# Altium PCB iMX6 Rex_V1I1_PCB.PcbDoc (part 4 of 8)
Units mm, origin at the board's own origin, x right, y up, seen from the top; angles counter-clockwise.
Board outline 70 x 40 mm, 12 copper layers (L1, L2, L3, L4, L5 (PWR), L6 (PWR), L7 (PWR), L8 (PWR), L9, L10, L11, L12), stack 1.566 mm thick; 473 components, 409 nets, 2294 pads, 1880 vias.
Unrouted connection lines stored in the file: 7.
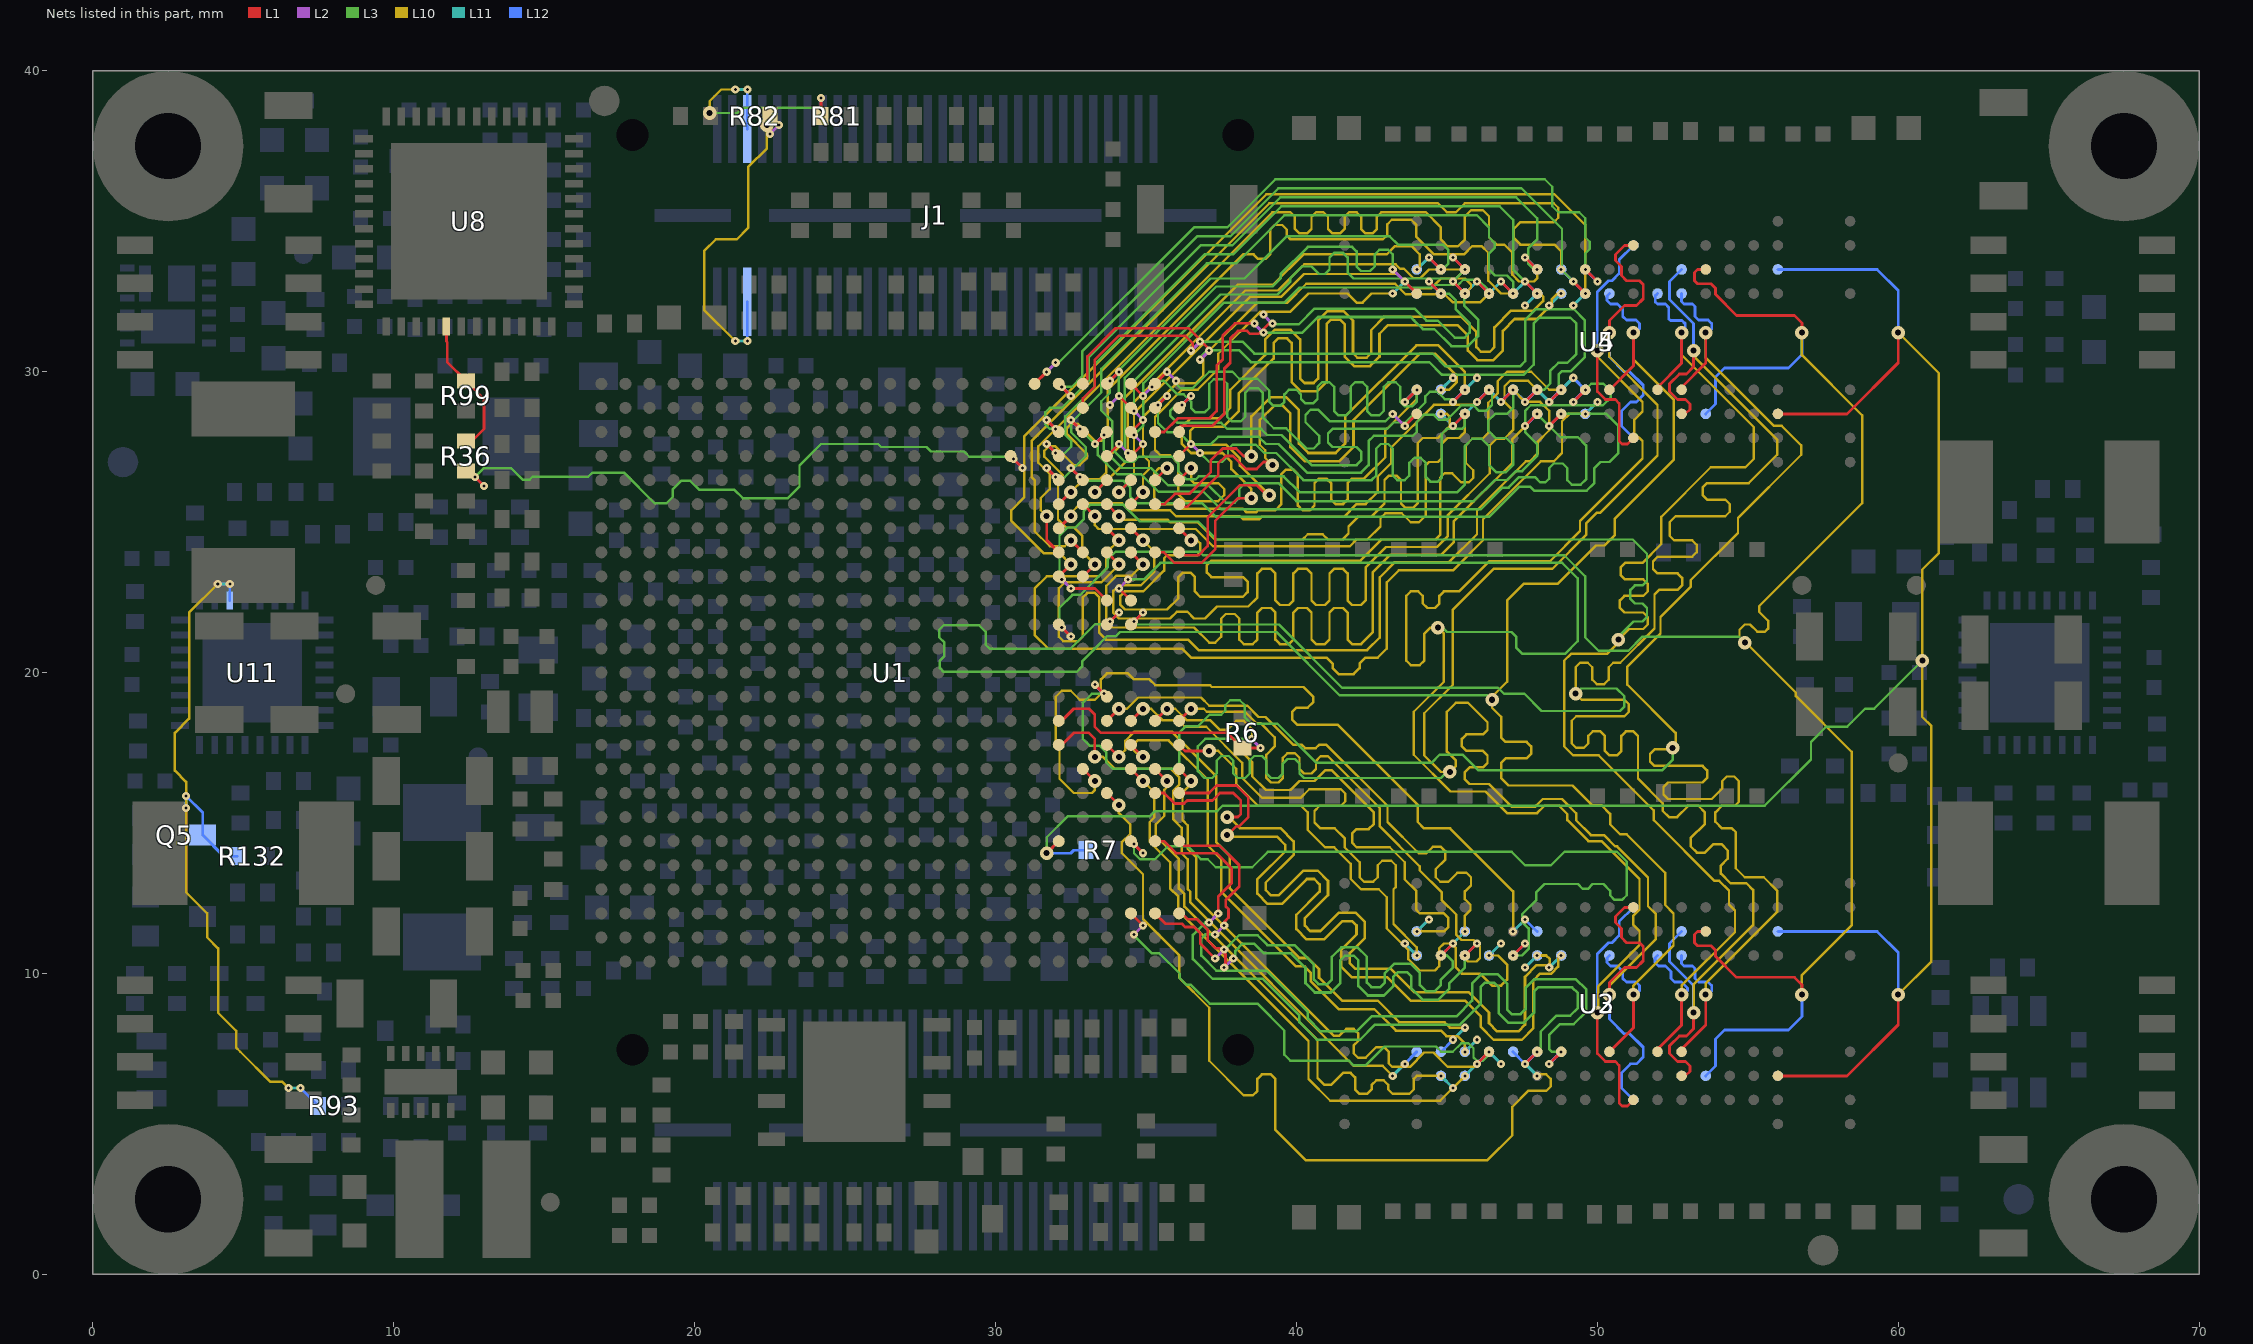
[diagram p14: the nets of this part, all layers, seen from the top]

## Via types
v1: diameter 0.45, hole 0.2, L1 to L12, tented both sides, 761 vias
v2: diameter 0.27, hole 0.1, L1 to L2, 305 vias
v3: diameter 0.27, hole 0.1, L2 to L3, 290 vias
v4: diameter 0.45, hole 0.2, L3 to L10, 196 vias
v5: diameter 0.27, hole 0.1, L11 to L12, 185 vias
v6: diameter 0.27, hole 0.1, L10 to L11, 142 vias
v7: diameter 0.45, hole 0.2, L3 to L10, tented both sides, 1 vias

## Nets (pads, with @x,y where several pads share a name; then routed paths per layer and width w, separated by ;. In a path a pad name is that pad's centre, name@x,y a point inside that pad or via, vN(x,y) a via of type N, cw(c..) or ccw(c..) an arc to the next point about the centre after c; other vN are vias at no path point) (continued)
DRAM_D23: U1.AA9 U3.F2 | length 28.6
  L1 w0.093: U1.AA9@32.9,16.8 v1(33.3,16.4)
  L10 w0.08: v1(33.3,16.4) 33.3,16.1 33.2,16 32.6,16 32.125,16.475 32.125,17.5 32,17.625 32,19.2 32.2,19.4 32.5,19.4 32.8,19.1 33.3,19.1 33.5,19.3 33.5,19.775 33.7,19.975 34.4,19.975 34.6,19.775 35.117,19.775 35.307,19.585 37.123,19.585 37.183,19.525 40.236,19.525 40.553,19.208 40.553,19.013 40.378,18.838 40.005,18.838 39.855,18.688 39.855,18.438 40.03,18.263 41.38,18.263 44.025,15.619 44.025,15.045 44.245,14.825 45.105,14.825 47.2,12.73 v6(47.2,11.4)
  L11 w0.1: v6(47.2,11.4) v5(47.6,11.8)
  L12 w0.093: v5(47.6,11.8) U3.F2@48,11.4
DRAM_D24: U1.AE9 U3.D7 | length 19.8
  L1 w0.093: U1.AE9@36.1,16.8 v1(36.5,16.4)
  L10 w0.08: v1(36.5,16.4) 36.5,16.3 36.213,16.013 36.213,15.1 36.383,14.93 36.383,14.153 36.675,13.86 36.675,12.495 41.232,7.938 41.43,7.938 41.654,8.162 41.904,8.162 42.054,8.012 42.054,7.762 41.9,7.608 ; 41.9,7.6 41.9,7.35 42.05,7.2 42.3,7.2 42.654,7.554 ; 42.662,7.554 42.912,7.554 43.062,7.404 43.062,7.021 43.183,6.9 43.77,6.9 44.245,7.375 44.555,7.375 45.03,6.9 45.9,6.9 v6(46.4,7.4)
  L11 w0.1: v6(46.4,7.4) v5(46.8,7)
  L12 w0.093: v6(46.4,7.4) v5(46.8,7)
DRAM_D25: U1.Y10 U3.A7 | length 19.9
  L1 w0.093: U1.Y10@32.1,17.6 32.2,17.6 32.6,18 33.1,18 33.3,17.8 v1(33.3,17.2)
  L10 w0.08: v1(33.3,17.2) 33.57,17.2 33.97,16.8 35.83,16.8 36.1,16.53 36.1,16.27 35.909,16.078 35.909,15.122 36.183,14.847 36.183,14 36.383,13.8 36.383,12.813 36.475,12.721 36.475,12.362 41.9,6.937 42.863,6.937 v6(43.2,6.6)
  L11 w0.1: v6(43.2,6.6) v5(43.6,7)
  L12 w0.093: v5(43.6,7) U3.A7@44,7.4
DRAM_D26: U1.AE11 U3.C3 | length 19.8
  L1 w0.093: U1.AE11@36.1,18.4 v1(36.5,18.8)
  L10 w0.08: v1(36.5,18.8) 36.917,18.8 37.017,18.7 38.287,18.7 38.662,18.325 38.805,18.325 39.275,17.855 39.275,17.545 39,17.27 39,16.5 39.15,16.35 39.4,16.35 39.55,16.5 39.55,17.17 39.7,17.32 39.95,17.32 40.1,17.17 40.1,16.8 40.25,16.65 40.5,16.65 40.65,16.8 40.65,17.07 40.8,17.22 41.05,17.22 42.775,15.495 42.775,14.888 44.1,13.563 44.1,13.43 44.825,12.705 44.825,12.445 45.315,11.955 45.315,11.282 45.482,11.115 45.885,11.115 46.1,10.9 46.1,10.52 45.98,10.4 45.7,10.4 45.6,10.5 v6(45.6,10.6)
  L11 w0.1: v6(45.6,10.6) v5(46,11)
  L12 w0.093: v6(45.6,10.6) v5(46,11)
DRAM_D27: U1.AB11 U3.C2 | length 19.8
  L1 w0.093: U1.AB11@33.7,18.4 v1(34.1,18.8)
  L10 w0.08: v1(34.1,18.8) 34.37,18.8 34.745,19.175 36.825,19.175 37.1,18.9 38.37,18.9 38.745,18.525 38.975,18.525 39.9,17.6 40.181,17.6 40.291,17.491 40.641,17.491 40.75,17.6 41,17.6 43.025,15.575 43.025,15.041 44.066,14 44.321,14 44.53,14.209 44.8,14.209 44.95,14.059 44.95,13.789 44.63,13.47 44.63,13.2 44.78,13.05 45.05,13.05 45.35,13.35 45.65,13.35 45.8,13.2 45.8,12.93 45.6,12.73 45.6,12.47 45.785,12.285 45.785,12.115 45.6,11.93 v6(45.6,11.4)
  L11 w0.1: v5(45.2,11) v6(45.6,11.4)
  L12 w0.093: v5(45.2,11) v6(45.6,11.4)
DRAM_D28: U1.AC9 U3.C8 | length 19.8
  L1 w0.093: U1.AC9@34.5,16.8 v1(34.9,16.4)
  L10 w0.08: v1(34.9,16.4) 35.275,16.025 35.275,15.188 35.125,15.038 35.125,14.375 35.8,13.7 35.8,12.83 36.075,12.555 36.075,12.079 40.4,7.754 40.4,6.5 41.125,5.775 44.775,5.775 v6(45.6,6.6)
  L11 w0.1: v6(45.6,6.6) v5(46,7)
  L12 w0.093: v6(45.6,6.6) v5(46,7)
DRAM_D29: U1.AD9 U3.B8 | length 19.8
  L1 w0.093: U1.AD9@35.3,16.8 v1(35.7,16.4)
  L10 w0.08: v1(35.7,16.4) 35.7,16.2 35.604,16.104 35.604,15.235 35.325,14.955 35.325,14.575 36.092,13.809 36.092,12.822 36.275,12.638 36.275,12.225 40.7,7.8 40.7,6.53 40.93,6.3 41.15,6.3 41.55,6.7 41.8,6.7 41.95,6.55 41.95,6.15 42.1,6 42.35,6 42.5,6.15 42.5,6.3 42.65,6.45 42.9,6.45 43.05,6.3 43.05,6.15 43.2,6 43.75,6 43.9,6.15 43.9,6.5 44,6.6 v6(44.8,6.6)
  L11 w0.1: v6(44.8,6.6) v5(45.2,6.2)
  L12 w0.093: v6(44.8,6.6) v5(45.2,6.2)
DRAM_D30: U1.AD11 U3.A2 | length 19.8
  L1 w0.093: U1.AD11@35.3,18.4 v1(35.7,18.8)
  L10 w0.08: v1(35.7,18.8) 35.97,18.8 36.345,18.425 37.132,18.425 37.457,18.1 37.7,18.1 38,18.4 38.243,18.4 38.525,18.118 38.525,17.875 38.225,17.575 38.225,17.332 38.525,17.032 38.525,16.558 38.983,16.1 39.8,16.1 40.1,16.4 40.6,16.4 40.95,16.75 41.18,16.75 42.575,15.355 42.575,14.975 42.4,14.8 42,14.8 41.85,14.65 41.85,14.35 42,14.2 43.1,14.2 43.6,13.7 43.6,13.13 43.975,12.755 43.975,12.125 44.1,12 44.9,12 45.05,11.85 45.05,11.55 44.9,11.4 v6(44,11.4)
  L11 w0.1: v6(44,11.4) v5(44.4,11.8)
  L12 w0.093: v6(44,11.4) v5(44.4,11.8)
DRAM_D31: U1.AC11 U3.A3 | length 19.8
  L1 w0.093: U1.AC11@34.5,18.4 v1(34.9,18.8)
  L10 w0.08: v1(34.9,18.8) 35.17,18.8 35.545,18.425 36.062,18.425 36.287,18.2 37,18.2 38.2,17 38.2,16.5 38.863,15.837 40.137,15.837 40.425,16.125 41.475,16.125 41.625,15.975 41.625,15.725 41.475,15.575 40.775,15.575 40.6,15.4 40.6,15.02 40.795,14.825 41.275,14.825 41.6,14.5 41.6,14.2 42.1,13.7 42.1,13.2 42.25,13.05 42.55,13.05 42.7,13.2 42.7,13.6 42.85,13.75 43.15,13.75 43.3,13.6 43.3,12.875 43.225,12.8 43.225,11.645 44,10.87 v6(44,10.6)
  L11 w0.1: v5(43.6,11) v6(44,10.6)
  L12 w0.093: v5(43.6,11) v6(44,10.6)
DRAM_D32: U1.AA17 U5.E3 | length 31.9
  L1 w0.093: U1.AA17@32.9,23.2 v1(33.3,23.6)
  L10 w0.08: v1(33.3,23.6) 32.875,24.025 32.875,24.555 32.605,24.825 32.345,24.825 32.075,25.095 32.075,26.205 32.235,26.365 32.235,26.565 31.622,27.177 31.622,27.377 31.773,27.527 31.972,27.527 32.6,26.9 32.8,26.9 33.025,27.125 33.025,27.275 32.373,27.928 32.373,28.127 32.523,28.277 32.722,28.277 33.3,27.7 33.5,27.7 33.725,27.925 33.725,29.397 38.228,33.9 38.578,33.9 38.728,33.75 38.978,33.75 39.128,33.9 39.128,34.728 39.278,34.878 39.528,34.878 39.678,34.728 39.678,34.522 39.8,34.4 42.87,34.4 43.02,34.55 43.02,34.9 43.17,35.05 43.815,35.05 43.975,34.89 43.975,34.495 44.57,33.9 45.57,33.9 45.845,34.175 46.155,34.175 46.375,33.955 46.375,33.028 46.803,32.6 v6(47.2,32.6)
  L11 w0.1: v6(47.2,32.6) v5(47.6,33)
  L12 w0.093: v6(47.2,32.6) v5(47.6,33)
DRAM_D33: U1.AA18 U5.G2 | length 31.9
  L1 w0.093: v1(32.5,24.4) U1.AA18@32.9,24
  L10 w0.08: v1(32.5,24.4) 32.3,24.2 31.8,24.2 31.3,24.7 31.3,26.4 31.2,26.5 31.2,27.7 39.1,35.6 44.7,35.6 45,35.3 45.3,35.3 45.6,35.6 48.55,35.6 48.7,35.45 48.7,35.12 48.555,34.975 47.445,34.975 47.225,34.755 47.225,34.445 47.445,34.225 48.575,34.225 48.8,34 v6(48.8,33.4)
  L11 w0.1: v6(48.8,33.4) v5(49.2,33)
  L12 w0.093: v6(48.8,33.4) v5(49.2,33)
DRAM_D34: U1.AC18 U5.F8 | length 31.9
  L1 w0.093: U1.AC18@34.5,24 v1(34.9,23.6)
  L10 w0.08: v1(34.9,23.6) 34.525,23.225 34.021,23.225 33.683,22.887 33.683,21.702 33.885,21.5 36.6,21.5 37.1,21 37.3,21 37.5,21.2 37.5,21.8 37.65,21.95 37.95,21.95 38.1,21.8 38.1,21.1 38.25,20.95 38.55,20.95 38.7,21.1 38.7,22 38.85,22.15 39.15,22.15 39.3,22 39.3,21.1 39.45,20.95 39.75,20.95 39.9,21.1 39.9,22 40.05,22.15 40.35,22.15 40.5,22 40.5,21.1 40.65,20.95 40.95,20.95 41.1,21.1 41.1,22 41.25,22.15 41.55,22.15 41.7,22 41.7,21.1 41.85,20.95 42.15,20.95 42.533,21.333 42.533,23.333 43.125,23.925 44.825,23.925 45.225,24.325 45.225,25.025 47.175,26.975 47.175,27.762 48,28.587 v6(48,28.6)
  L11 w0.1: v5(47.6,28.2) v6(48,28.6)
  L12 w0.093: v5(47.6,28.2) v6(48,28.6)
DRAM_D35: U1.AE19 U5.H7 | length 31.9
  L1 w0.093: U1.AE19@36.1,24.8 v1(36.5,24.4)
  L10 w0.08: v1(36.5,24.4) 36.7,24.4 36.8,24.3 36.8,24 36.7,23.9 35.7,23.9 35.6,23.8 35.6,23.392 34.908,22.7 34.3,22.7 34.15,22.55 34.15,22.25 34.3,22.1 35.7,22.1 36.075,22.475 36.075,23.175 36.225,23.325 36.475,23.325 36.625,23.175 36.625,22.7 36.8,22.525 38.225,22.525 38.375,22.675 38.375,23.025 38.225,23.175 37.175,23.175 37.025,23.325 37.025,23.575 37.175,23.725 42.125,23.725 42.825,24.425 44.625,24.425 44.775,24.575 44.775,26.475 44.925,26.625 45.175,26.625 45.475,26.325 45.725,26.325 45.875,26.475 45.875,26.725 45.625,26.975 45.625,27.555 45.845,27.775 46.18,27.775 46.375,27.97 46.375,28.972 46.685,29.282 46.685,29.685 47,30 47.803,30 48.403,29.4 v6(48.8,29.4)
  L11 w0.1: v6(48.8,29.4) v5(49.2,29.8)
  L12 w0.093: v5(49.2,29.8) U5.H7@49.6,29.4
DRAM_D36: U1.Y17 U5.H3 | length 31.9
  L1 w0.093: U1.Y17@32.1,23.2 v1(32.5,23.6)
  L10 w0.08: v1(32.5,23.6) 32.125,23.975 31.595,23.975 30.525,25.045 30.525,25.4 30.95,25.825 30.95,27.85 39,35.9 48.575,35.9 49.6,34.875 v6(49.6,32.6)
  L11 w0.1: v5(49.2,32.2) v6(49.6,32.6)
  L12 w0.093: v5(49.2,32.2) v6(49.6,32.6)
DRAM_D37: U1.Y18 U5.F2 | length 31.9
  L1 w0.093: v1(31.7,25.2) 31.7,24.4 U1.Y18@32.1,24
  L10 w0.08: v1(31.7,25.2) 31.5,25.4 31.5,25.8 31.8,26.1 31.8,26.6 31.423,26.978 31.423,27.522 39.2,35.3 39.8,35.3 39.95,35.15 39.95,34.75 40.1,34.6 40.35,34.6 40.5,34.75 40.5,35.15 40.65,35.3 40.9,35.3 41.05,35.15 41.05,34.75 41.2,34.6 41.45,34.6 41.6,34.75 41.6,35.15 41.75,35.3 42,35.3 42.15,35.15 42.15,34.75 42.3,34.6 42.525,34.6 42.675,34.75 42.675,35.15 42.825,35.3 44.3,35.3 44.8,34.8 44.8,34.4 45.03,34.17 45.37,34.17 45.6,34.4 45.6,35.17 45.8,35.37 46.2,35.37 46.4,35.17 46.4,34.47 46.645,34.225 46.905,34.225 47.175,33.955 47.175,33.225 47.4,33 47.9,33 48,33.1 v6(48,33.4)
  L11 w0.1: v5(47.6,33.8) v6(48,33.4)
  L12 w0.093: v5(47.6,33.8) v6(48,33.4)
DRAM_D38: U1.AB19 U5.H8 | length 31.9
  L1 w0.093: U1.AB19@33.7,24.8 v1(34.1,24.4)
  L10 w0.08: v1(34.1,24.4) 33.675,23.975 33.675,23.445 33.43,23.2 31.7,23.2 31.3,22.8 31.3,21.25 31.75,20.8 36.2,20.8 36.5,20.5 41,20.5 41.2,20.3 41.2,20.15 41.4,19.95 41.9,19.95 42.1,20.15 42.1,20.3 42.3,20.5 42.7,20.5 43,20.8 43,23 43.4,23.4 45.2,23.4 46.2,24.4 46.2,25.1 48.125,27.025 48.555,27.025 48.825,27.295 48.825,28.355 49.07,28.6 v6(49.6,28.6)
  L11 w0.1: v6(49.6,28.6) v5(50,29)
  L12 w0.093: v6(49.6,28.6) v5(50,29)
DRAM_D39: U1.AC19 U5.F7 | length 31.9
  L1 w0.093: U1.AC19@34.5,24.8 v1(34.9,24.4)
  L10 w0.08: v1(34.9,24.4) 35.275,24.025 35.275,23.35 34.825,22.9 34.1,22.9 33.917,22.717 33.917,21.983 34.1,21.8 35.8,21.8 36.025,22.025 36.375,22.025 36.6,21.8 36.958,21.8 37.358,22.2 38.4,22.2 38.7,22.5 38.7,23.3 38.85,23.45 39.15,23.45 39.3,23.3 39.3,22.4 39.45,22.25 39.75,22.25 39.9,22.4 39.9,23.3 40.05,23.45 40.35,23.45 40.5,23.3 40.5,22.4 40.65,22.25 40.95,22.25 41.1,22.4 41.1,23.3 41.25,23.45 41.55,23.45 41.7,23.3 41.7,22.4 41.85,22.25 42.15,22.25 42.3,22.4 42.3,23.5 42.975,24.175 44.675,24.175 45.025,24.525 45.025,25.225 46.425,26.625 46.425,27.555 46.645,27.775 46.905,27.775 47.2,28.07 47.2,28.715 46.915,29 46.915,29.518 47.097,29.7 47.7,29.7 v6(48,29.4)
  L11 w0.1: v6(48,29.4) v5(48.4,29)
  L12 w0.093: v6(48,29.4) v5(48.4,29)
DRAM_D40: U1.Y19 U5.D7 | length 18.4
  L1 w0.093: U1.Y19@32.1,24.8 v1(32.5,25.2)
  L10 w0.08: v1(32.5,25.2) 32.5,25.3 32.825,25.625 34.205,25.625 34.43,25.4 35.8,25.4 36,25.2 38.125,25.2 38.225,25.1 38.77,25.1 38.845,25.175 41.575,25.175 42,25.6 42.3,25.6 42.7,26 42.7,26.517 43.15,26.967 43.15,27.48 44.57,28.9 45.9,28.9 v6(46.4,29.4)
  L11 w0.1: v6(46.4,29.4) v5(46.8,29)
  L12 w0.093: v6(46.4,29.4) v5(46.8,29)
DRAM_D41: U1.AB20 U5.B8 | length 18.5
  L1 w0.093: U1.AB20@33.7,25.6 v1(34.1,25.2)
  L10 w0.08: v1(34.1,25.2) 34.213,25.088 35.712,25.088 35.8,25 36.713,25 37.288,24.425 40.2,24.425 40.375,24.6 40.87,24.6 41.045,24.425 41.525,24.425 41.73,24.63 41.73,24.861 42.045,25.175 42.475,25.175 42.925,25.625 42.925,26.4 43.075,26.55 43.325,26.55 43.475,26.4 43.475,25.625 43.625,25.475 43.875,25.475 44.025,25.625 44.025,27.625 44.2,27.8 44.7,27.8 45.1,28.2 45.1,28.5 45,28.6 v6(44.8,28.6)
  L11 w0.1: v6(44.8,28.6) v5(45.2,28.2)
  L12 w0.093: v6(44.8,28.6) v5(45.2,28.2)
DRAM_D42: U1.AB21 U5.C2 | length 18.4
  L1 w0.093: v1(33.3,26) U1.AB21@33.7,26.4
  L10 w0.08: v1(33.3,26) 33.313,26 34.4,27.087 34.4,28.8 38.3,32.7 39.383,32.7 40.258,33.575 43.295,33.575 43.445,33.425 43.572,33.425 43.882,33.115 44.118,33.115 44.403,33.4 v6(45.6,33.4)
  L11 w0.1: v5(45.2,33) v6(45.6,33.4)
  L12 w0.093: v5(45.2,33) v6(45.6,33.4)
DRAM_D43: U1.AD21 U5.A7 | length 18.4
  L1 w0.093: U1.AD21@35.3,26.4 v1(35.7,26.8)
  L10 w0.08: v1(35.7,26.8) 35.434,26.8 35.275,26.641 35.275,25.825 35.5,25.6 36,25.6 36.15,25.45 38.22,25.45 38.345,25.325 38.655,25.325 38.73,25.4 39.3,25.4 39.5,25.6 39.5,26.6 39.65,26.75 39.9,26.75 40.05,26.6 40.05,25.55 40.2,25.4 40.45,25.4 40.6,25.55 40.6,26.3 40.75,26.45 41,26.45 41.15,26.3 41.15,25.75 41.3,25.6 41.55,25.6 41.7,25.75 41.7,26.3 41.85,26.45 42.25,26.45 42.95,27.15 42.95,28.05 44,29.1 v6(44,29.4)
  L11 w0.1: v5(43.6,29) v6(44,29.4)
  L12 w0.093: v5(43.6,29) v6(44,29.4)
DRAM_D44: U1.Y20 U5.A2 | length 18.4
  L1 w0.093: U1.Y20@32.1,25.6 v1(32.5,26)
  L10 w0.08: v1(32.5,26) 32.925,26.425 33.455,26.425 33.675,26.645 33.675,27.075 34.2,27.6 34.2,29.046 38.054,32.9 39.23,32.9 40.23,33.9 43,33.9 43.275,34.175 43.825,34.175 44.1,33.9 44.1,33.5 v6(44,33.4)
  L11 w0.1: v6(44,33.4) v5(44.4,33.8)
  L12 w0.093: v6(44,33.4) v5(44.4,33.8)
DRAM_D45: U1.AA20 U5.C8 | length 18.4
  L1 w0.093: U1.AA20@32.9,25.6 v1(33.3,25.2)
  L10 w0.08: v1(33.3,25.2) 33.3,24.9 33.425,24.775 36.655,24.775 37.23,24.2 41.775,24.2 42,24.425 42.355,24.425 42.793,24.863 42.793,25.136 42.957,25.3 43.5,25.3 43.8,25 44.07,25 44.3,25.23 44.3,26.9 44.4,27 44.7,27 44.825,27.125 44.825,27.6 45.025,27.8 45.4,27.8 45.6,28 v6(45.6,28.6)
  L11 w0.1: v6(45.6,28.6) v5(46,29)
  L12 w0.093: v6(45.6,28.6) v5(46,29)
DRAM_D46: U1.AE21 U5.A3 | length 18.5
  L1 w0.093: U1.AE21@36.1,26.4 v1(36.5,26.8)
  L10 w0.08: v1(36.5,26.8) 36.5,26.4 36.6,26.3 37.4,26.3 37.6,26.1 37.6,25.9 37.4,25.7 36.3,25.7 36.075,25.925 36.075,26.955 35.805,27.225 35.475,27.225 35.3,27.4 35.3,28.5 36.2,29.4 36.713,29.4 37.4,30.087 37.4,30.6 38.8,32 39.8,32 40.4,32.6 41.7,32.6 42,32.3 42.2,32.3 42.5,32.6 v6(43.2,32.6)
  L11 w0.1: v6(43.2,32.6) v5(43.6,33)
  L12 w0.093: v5(43.6,33) U5.A3@44,32.6
DRAM_D47: U1.AC21 U5.C3 | length 18.4
  L1 w0.093: v1(34.1,26) U1.AC21@34.5,26.4
  L10 w0.08: v1(34.1,26) 34.6,26.5 34.6,28.63 38.47,32.5 39.5,32.5 40.25,33.25 43.337,33.25 43.812,32.775 44.475,32.775 44.8,33.1 45.6,33.1 45.8,32.9 45.8,32.8 v6(45.6,32.6)
  L11 w0.1: v6(45.6,32.6) v5(46,33)
  L12 w0.093: v6(45.6,32.6) v5(46,33)
DRAM_D48: U1.AC22 U4.D7 | length 17.1
  L1 w0.093: U1.AC22@34.5,27.2 v2(34.9,27.6) ; v2(46,33) v3(46.4,32.6)
  L2 w0.1: v3(34.6,27.9) v2(34.9,27.6) ; v2(46,33) v3(46.4,32.6)
  L3 w0.08: v3(34.6,27.9) 34.915,28.215 34.915,29.618 37.597,32.3 39.6,32.3 40.1,32.8 44.538,32.8 44.623,32.885 45.368,32.885 45.541,33.059 46.041,33.059 46.4,32.7 v3(46.4,32.6)
DRAM_D49: U1.AE22 U4.C2 | length 17.1
  L1 w0.093: U1.AE22@36.1,27.2 v2(36.5,27.6) ; v2(45.2,28.2) v3(45.6,28.6)
  L2 w0.1: v2(36.5,27.6) v3(36.8,27.3) ; v2(45.2,28.2) v3(45.6,28.6)
  L3 w0.08: v3(36.8,27.3) 37.1,27 37.525,27 37.725,27.2 37.725,27.425 37.875,27.575 38.655,27.575 38.93,27.3 39.33,27.3 40.23,26.4 42.5,26.4 42.65,26.55 42.65,27.45 42.8,27.6 43.05,27.6 43.2,27.45 43.2,26.55 43.35,26.4 43.6,26.4 43.75,26.55 43.75,26.97 43.925,27.145 44.125,27.145 44.3,26.97 44.3,26.5 44.45,26.35 44.7,26.35 44.825,26.475 44.825,27.925 45,28.1 45.5,28.1 45.6,28.2 v3(45.6,28.6)
DRAM_D50: U1.AE24 U4.C3 | length 17.1
  L1 w0.093: U1.AE24@36.1,28.8 v2(36.5,29.2) ; v2(45.2,29) v3(45.6,29.4)
  L2 w0.1: v3(36.2,28.9) v2(36.5,29.2) ; v2(45.2,29) v3(45.6,29.4)
  L3 w0.08: v3(36.2,28.9) 36,28.9 35.8,28.7 35.8,28.55 36.05,28.3 37.5,28.3 37.7,28.1 38.825,28.1 39.025,27.9 39.5,27.9 40.5,26.9 42,26.9 42.15,27.05 42.15,27.35 42,27.5 41.2,27.5 41.05,27.65 41.05,27.95 41.2,28.1 43.017,28.1 43.232,28.315 43.615,28.315 44.285,28.985 44.285,29.185 44.435,29.335 44.685,29.335 44.935,29.085 45.285,29.085 v3(45.6,29.4)
DRAM_D51: U1.AC24 U4.B8 | length 17.2
  L1 w0.093: v2(34.1,29.2) U1.AC24@34.5,28.8 ; v2(44.4,33.8) v3(44.8,33.4)
  L2 w0.1: v3(33.8,28.9) v2(34.1,29.2) ; v2(44.4,33.8) v3(44.8,33.4)
  L3 w0.08: v3(33.8,28.9) v2(34.1,29.2) 34.1,30.055 37.145,33.1 38.27,33.1 39.67,34.5 43.1,34.5 43.375,34.225 44.875,34.225 45.05,34.05 45.05,33.6 44.85,33.4 v3(44.8,33.4)
DRAM_D52: U1.AB22 U4.A7 | length 17.2
  L1 w0.093: U1.AB22@33.7,27.2 v2(34.1,27.6) ; v2(43.6,33) U4.A7@44,32.6
  L2 w0.1: v2(34.1,27.6) v3(34.4,27.3) ; v3(43.2,33.4) v2(43.6,33)
  L3 w0.08: v3(34.4,27.3) 34.3,27.4 34.3,29.8 37.333,32.833 39.208,32.833 39.475,33.1 39.475,33.245 40.38,34.15 41.85,34.15 42,34 42,33.5 42.15,33.35 42.45,33.35 42.6,33.5 42.6,33.9 42.75,34.05 43.05,34.05 43.2,33.9 v3(43.2,33.4)
DRAM_D53: U1.AC23 U4.C8 | length 17.2
  L1 w0.093: U1.AC23@34.5,28 v2(34.9,28.4) ; v2(45.2,33.8) v3(45.6,33.4)
  L2 w0.1: v3(34.6,28.7) v2(34.9,28.4) ; v2(45.2,33.8) v3(45.6,33.4)
  L3 w0.08: v3(34.6,28.7) 34.6,29.695 37.471,32.567 39.367,32.567 39.8,33 39.8,33.117 40.183,33.5 40.5,33.5 40.75,33.25 40.95,33.25 41.1,33.4 41.1,33.8 41.25,33.95 41.55,33.95 41.7,33.8 41.7,33.3 41.9,33.1 45.3,33.1 v3(45.6,33.4)
DRAM_D54: U1.AD25 U4.A3 | length 17.1
  L1 w0.093: U1.AD25@35.3,29.6 v2(35.7,30) ; v2(43.6,29) v3(44,29.4)
  L2 w0.1: v2(35.7,30) v3(36,29.7) ; v2(43.6,29) v3(44,29.4)
  L3 w0.08: v3(36,29.7) 36,29.6 36.15,29.45 36.55,29.45 37.1,30 37.87,30 38.1,29.77 38.7,29.77 39.1,29.37 39.1,29 39.225,28.875 39.475,28.875 39.6,29 39.6,29.25 39.75,29.4 40,29.4 40.15,29.25 40.15,29.1 40.3,28.95 40.55,28.95 40.7,29.1 40.7,29.5 40.85,29.65 41.1,29.65 41.25,29.5 41.25,28.7 41.4,28.55 41.65,28.55 41.8,28.7 41.8,29.5 41.95,29.65 42.2,29.65 42.35,29.5 42.35,28.7 42.5,28.55 42.75,28.55 42.9,28.7 42.9,29.5 43.05,29.65 43.3,29.65 43.45,29.5 43.45,29 43.6,28.85 43.85,28.85 44,29 v3(44,29.4)
DRAM_D55: U1.AC25 U4.A2 | length 17.1
  L1 w0.093: U1.AC25@34.5,29.6 v2(34.9,29.2) ; v2(43.6,28.2) U4.A2@44,28.6
  L2 w0.1: v2(34.9,29.2) v3(35.2,29.5) ; v3(43.2,28.6) v2(43.6,28.2)
  L3 w0.08: v3(35.2,29.5) 35.4,29.7 35.597,29.7 36.047,29.25 36.253,29.25 36.5,29.003 36.5,28.8 36.65,28.65 36.95,28.65 37.1,28.8 37.1,29.6 37.25,29.75 37.55,29.75 37.7,29.6 37.7,28.5 37.85,28.35 38.15,28.35 38.3,28.5 38.3,29.3 38.45,29.45 38.737,29.45 38.887,29.3 38.887,28.483 39.245,28.125 39.658,28.125 40.331,27.451 40.575,27.451 40.751,27.628 40.751,27.871 40.3,28.323 40.3,28.566 40.477,28.743 40.72,28.743 41.113,28.35 42.95,28.35 v3(43.2,28.6)
DRAM_D56: U1.AB25 U4.E3 | length 25
  L1 w0.093: U1.AB25@33.7,29.6 v2(34.1,30) ; v2(46.8,29) v3(47.2,29.4)
  L2 w0.1: v3(33.8,29.7) v2(34.1,30) ; v2(46.8,29) v3(47.2,29.4)
  L3 w0.08: v3(33.8,29.7) 33.8,29.303 33.515,29.018 33.515,28.715 33.885,28.345 33.885,27.412 34.282,27.015 34.6,27.015 34.76,27.175 35.855,27.175 36.075,26.955 36.075,26.695 36.345,26.425 36.655,26.425 36.755,26.525 39.575,26.525 40.1,26 45.35,26 45.6,26.25 45.6,27.53 45.845,27.775 46.155,27.775 46.4,27.53 46.4,26.9 46.645,26.655 46.955,26.655 47.2,26.9 47.2,27.575 46.975,27.8 46.62,27.8 46.375,28.045 46.375,28.375 46.6,28.6 47,28.6 47.2,28.8 v3(47.2,29.4)
DRAM_D57: U1.AA21 U4.G2 | length 25
  L1 w0.093: v2(32.5,26.8) U1.AA21@32.9,26.4 ; v2(48.4,28.2) v3(48.8,28.6)
  L2 w0.1: v2(32.5,26.8) v3(32.8,26.5) ; v2(48.4,28.2) v3(48.8,28.6)
  L3 w0.08: v3(32.8,26.5) 32.925,26.375 34.255,26.375 34.475,26.155 34.475,25.85 34.7,25.625 36.875,25.625 37.325,25.175 46.4,25.175 47.4,26.175 47.775,26.175 47.9,26.05 49.65,26.05 49.9,26.3 49.9,26.8 50.1,27 50.4,27 50.7,27.3 50.7,28.2 50.3,28.6 v3(48.8,28.6)
DRAM_D58: U1.Y25 U4.H7 | length 25
  L1 w0.093: U1.Y25@32.1,29.6 v2(32.5,29.2) ; v2(49.2,33) v3(49.6,32.6)
  L2 w0.1: v3(32.2,29.5) v2(32.5,29.2) ; v2(49.2,33) v3(49.6,32.6)
  L3 w0.08: v3(32.2,29.5) 32.53,29.5 32.875,29.845 32.875,30.675 36.7,34.5 37.8,34.5 39.4,36.1 47.48,36.1 48.825,34.755 48.825,33.375 v3(49.6,32.6)
DRAM_D59: U1.Y22 U4.F7 | length 25
  L1 w0.093: v2(31.7,27.6) U1.Y22@32.1,27.2 ; v2(47.6,33) v3(48,32.6)
  L2 w0.1: v2(31.7,27.6) v3(32,27.3) ; v2(47.6,33) v3(48,32.6)
  L3 w0.08: v3(32,27.3) 32.3,27.3 32.514,27.514 32.514,27.7 32.315,27.899 32.315,28.515 33.3,29.5 33.3,30.255 36.945,33.9 37.9,33.9 39.5,35.5 46.75,35.5 47.2,35.05 47.2,33.4 v3(48,32.6)
DRAM_D60: U1.AB23 U4.H3 | length 25
  L1 w0.093: v2(33.3,27.6) U1.AB23@33.7,28 ; v2(49.2,29) v3(49.6,29.4)
  L2 w0.1: v2(33.3,27.6) v3(33.6,27.9) ; v2(49.2,29) v3(49.6,29.4)
  L3 w0.08: v3(33.6,27.9) 33.6,27.4 34.198,26.802 35.164,26.802 35.741,26.225 37.075,26.225 37.65,25.65 37.95,25.65 38.1,25.8 38.1,26.1 38.3,26.3 39.4,26.3 40,25.7 45.89,25.7 46.594,26.404 47,26.404 47.296,26.7 47.5,26.7 48,27.2 48,27.6 47.6,28 47.6,28.7 47.785,28.885 50.185,28.885 50.45,29.15 50.45,29.35 50.2,29.6 49.8,29.6 v3(49.6,29.4)
DRAM_D61: U1.AA23 U4.F2 | length 25
  L1 w0.093: v2(32.5,28.4) U1.AA23@32.9,28 ; v2(47.6,28.2) v3(48,28.6)
  L2 w0.1: v2(32.5,28.4) v3(32.8,28.1) ; v2(47.6,28.2) v3(48,28.6)
  L3 w0.08: v3(32.8,28.1) 33.4,27.5 33.4,27.23 34.042,26.588 34.842,26.588 35.418,26.012 36.913,26.012 37.5,25.425 46.125,25.425 46.852,26.152 47.052,26.152 47.4,26.5 47.926,26.5 48.1,26.326 48.276,26.326 48.4,26.45 48.4,26.8 48.55,26.95 48.85,26.95 49,26.8 49,26.4 49.15,26.25 49.45,26.25 49.625,26.425 49.625,27.555 49.355,27.825 48.775,27.825 v3(48,28.6)
DRAM_D62: U1.Y23 U4.F8 | length 25
  L1 w0.093: v2(31.7,28.4) U1.Y23@32.1,28 ; v2(47.6,33.8) v3(48,33.4)
  L2 w0.1: v2(31.7,28.4) v3(32,28.1) ; v2(47.6,33.8) v3(48,33.4)
  L3 w0.08: v3(32,28.1) 31.8,28.1 31.65,28.25 31.65,28.65 31.8,28.8 32.2,28.8 33.1,29.7 33.1,30.489 36.811,34.2 37.866,34.2 39.466,35.8 47.3,35.8 48,35.1 48,34.4 47.7,34.1 47.7,33.6 47.9,33.4 v3(48,33.4)
DRAM_D63: U1.W25 U4.H8 | length 25